# KiCad board 8851_HW-U1-VCU118_REV2-0_071417.kicad_pcb (continued)
## Routing (per net, layer and track width the routed paths; a pad name or vN(x,y) marks a point on that pad's centre or on a via; arc(x,y) is an arc through that point) (continued)
  BOTTOM w0.275: v3(152.62,103.24) 152.78,103.09 152.78,102.67
  vias: v1(160.19,91.58) v1(160.19,77.71) v1(160.19,63.83) v1(160.19,49.96) v1(160.19,35.83)
DDR4_C2_ALERT_B: length 174.8
  TOP w0.15: 162.95,78.89 v1(163.34,79.28) ; 162.95,51.14 v1(163.34,51.53) ; 162.95,92.77 v1(163.34,93.16) ; 162.95,37.02 v1(163.34,37.41) ; 162.95,65.02 v1(163.34,65.41) ; v2(128.19,70.71) 127.69,70.22
  07_SIG3 w0.17: 162.62,93.88 v1(163.34,93.16) 162.95,92.77 162.95,84.85 162.62,84.53 162.62,80 v1(163.34,79.28) 162.95,78.89 162.95,71.62 162.78,71.45 162.78,65.97 v1(163.34,65.41) 162.95,65.02 162.95,55.61 163.08,55.48 163.08,51.8 v1(163.34,51.53) 162.95,51.14 162.95,42.68 162.6,42.32 162.6,41.57 162.75,41.42 163.18,41.42 163.33,41.27 163.33,41.06 163.18,40.91 162.75,40.91 162.6,40.76 162.6,40.42 162.75,40.27 162.91,40.27 163.06,40.12 163.06,39.91 162.91,39.76 162.75,39.76 162.6,39.61 162.6,39.05 162.75,38.9 162.92,38.9 163.18,39.16 163.39,39.16 163.54,39.01 163.54,38.8 163.12,38.38 163.12,38.2 163.34,37.98 v1(163.34,37.41) 163.74,37.02 163.74,30.95 163.97,30.72 164.29,30.72 164.53,30.49 164.53,29.98 ; v2(128.19,70.71) 127.86,70.71 127.37,70.22 125.03,70.22 124.74,69.93 124.74,68.4 124.9,68.24 125.51,68.24 125.67,68.08 125.67,67.49 125.92,67.24 126.5,67.24 126.68,67.06 126.68,66.52 126.94,66.26 127.46,66.26 127.67,66.05 127.67,65.26 128.66,64.27 129.41,64.27 129.65,64.03 129.65,51.76 129.9,51.5 130.41,51.5 130.71,51.19 130.71,50.66 130.89,50.47 131.36,50.47 131.66,50.17 131.66,49.65 131.84,49.48 132.39,49.48 132.64,49.23 132.64,48.76 132.85,48.55 133.31,48.55 133.61,48.26 133.61,47.77 133.84,47.54 134.33,47.54 134.59,47.28 134.59,45.78 134.79,45.57 135.28,45.57 135.59,45.27 135.59,43.8 135.81,43.59 136.26,43.59 136.53,43.32 136.53,41.79 136.44,41.71
  07_SIG3 w0.287: 136.44,41.71 136.44,37.12 138.11,35.44 138.11,35.09 137.17,34.14 137.17,33.78 137.42,33.53 137.78,33.53 138.72,34.48 139.08,34.48 139.33,34.22 139.33,33.87 138.39,32.92 138.39,32.56 138.64,32.31 139,32.31 139.94,33.26 140.3,33.26 140.72,32.84 140.72,32.15 141.5,31.36 142.14,31.36 143.81,29.69 143.81,29.25 146.77,26.28 148.54,26.28 148.99,25.83 153.64,25.83 154.01,26.21 160.21,26.21 160.65,25.77 163.38,25.77 164.53,26.92 164.53,29.98 ; v3(153.53,99.58) 154.07,99.58 154.93,98.72 159.63,98.72 160.53,97.82 160.53,97.08 162.31,95.3 162.31,94.19 162.62,93.88
  BOTTOM w0.275: 153.65,98.92 153.65,99.45 v3(153.53,99.58)
DDR4_C2_BA0: length 174.1
  TOP w0.15: 162.16,45.63 v1(162.56,45.24) ; v2(128.19,66.77) 127.69,66.28 ; 162.16,73.38 v1(162.56,72.99) ; 162.16,31.5 v1(162.56,31.11) ; 162.16,59.5 v1(162.56,59.11) ; 162.16,87.25 v1(162.56,86.86)
  05_SIG2 w0.17: v1(162.56,31.11) 162.95,30.72 163.53,30.72 163.74,30.93 163.74,31.27 163.97,31.5 163.98,31.5 164.29,31.5 164.53,31.73 164.53,33.56 164.26,33.83 155.97,33.83 155.82,33.68 155.82,33.3 155.67,33.15 155.46,33.15 155.31,33.3 155.31,33.68 155.16,33.83 154.95,33.83 154.8,33.68 154.8,33.3 154.65,33.15 154.44,33.15 154.29,33.3 154.29,33.68 154.14,33.83 153.93,33.83 153.78,33.68 153.78,33.3 153.63,33.15 153.42,33.15 153.27,33.3 153.27,33.68 153.12,33.83 152.91,33.83 152.76,33.68 152.76,33.3 152.61,33.15 152.4,33.15 152.25,33.3 152.25,33.68 152.1,33.83 151.54,33.83 ; 140.38,54.74 139.66,55.46 138.81,55.46 138.52,55.74 138.52,56.15 138.23,56.44 137.82,56.44 137.54,56.73 137.54,57.14 137.25,57.42 136.84,57.42 136.55,57.71 136.55,58.12 136.26,58.41 135.86,58.41 135.57,58.7 135.57,59.1 135.28,59.39 134.87,59.39 134.58,59.68 134.58,60.09 134.3,60.38 133.89,60.38 133.6,60.67 133.6,61.07 133.31,61.36 132.9,61.36 132.62,61.65 132.62,62.06 132.33,62.35 131.92,62.35 131.63,62.63 131.63,63.04 131.34,63.33 130.93,63.33 130.65,63.62 130.65,64.18 129.78,65.04 129.01,65.04 128.68,65.37 128.68,66.05 128.19,66.54 v2(128.19,66.77)
  05_SIG2 w0.287: 151.54,33.83 151.44,33.83 150.43,34.83 150.22,34.83 149.86,34.48 149.86,34.26 150.2,33.92 150.2,33.7 149.98,33.48 149.77,33.48 149.42,33.82 149.2,33.82 148.88,33.5 148.67,33.5 148.45,33.72 148.45,33.91 150.52,35.98 150.52,36.08 150.3,36.3 150.08,36.3 148.35,34.57 148.12,34.57 147.9,34.79 147.9,35.15 149.21,36.45 149.21,36.69 148.99,36.91 148.79,36.91 147.89,36.01 147.68,36.01 147.46,36.23 147.46,36.46 148.43,37.43 148.43,37.6 148.19,37.84 147.96,37.84 146.9,36.77 146.69,36.77 146.48,36.99 146.48,37.23 147.15,37.9 147.15,38.12 146.93,38.34 146.71,38.34 145.35,36.98 145.13,36.98 144.91,37.2 144.91,37.42 146.27,38.78 146.27,39 145.94,39.33 145.73,39.33 143.67,37.27 143.42,37.27 143.23,37.46 143.23,37.71 145.33,39.82 145.33,49.79 140.38,54.74
  14_SIG4 w0.087: v1(162.56,31.11) 162.17,31.5 162.17,38.7 162.29,38.83 162.37,38.83 162.49,38.95 162.49,39.19 162.37,39.32 162.29,39.32 162.17,39.44 162.17,39.68 162.29,39.81 162.37,39.81 162.49,39.93 162.49,40.17 162.37,40.3 162.18,40.3 162.01,40.47 162.01,41.08 162.17,41.24 162.17,44.84 v1(162.56,45.24) 162.17,45.63 162.17,53.4 161.97,53.59 161.97,55.53 162.15,55.7 162.17,55.7 162.17,58.72 v1(162.56,59.11) 162.17,59.5 162.17,72.59 v1(162.56,72.99) 162.17,73.38 162.17,86.47 v1(162.56,86.86) 162.17,87.25 162.17,89.54 161.86,89.85 161.86,93.1 161.45,93.52 161.45,93.88
  14_SIG4 w0.155: v3(159.03,103.31) 159.03,102.63 160.56,101.1 160.56,96.92 160.97,96.51 160.97,94.46 161.45,93.98 161.45,93.88
  BOTTOM w0.275: 159.03,102.67 v3(159.03,103.31)
DDR4_C2_BA1: length 180.3
  TOP w0.15: 162.16,50.35 v1(162.56,50.75) ; v2(130.15,69.73) 129.66,69.24 ; 162.16,36.23 v1(162.56,36.62) ; 162.16,78.1 v1(162.56,78.5) ; 162.16,91.98 v1(162.56,92.37) ; 162.16,64.23 v1(162.56,64.62)
  03_SIG1 w0.17: v1(162.56,36.62) 162.25,36.62 162.16,36.71 162.16,37.88 162.96,38.68 162.96,39.21 162.81,39.36 162.55,39.36 162.4,39.51 162.4,39.72 162.55,39.87 162.81,39.87 162.96,40.02 162.96,40.23 162.81,40.38 162.55,40.38 162.4,40.53 162.4,40.74 162.55,40.89 162.81,40.89 162.96,41.04 162.96,41.2 162.6,41.56 162.6,42.49 162.75,42.64 163.07,42.64 163.22,42.79 163.22,43 163.07,43.15 162.75,43.15 162.6,43.3 162.6,43.61 162.16,44.04 162.16,50.35 v1(162.56,50.75) 162.11,51.19 162.11,53.2 161.94,53.37 161.94,55.11 162.11,55.27 162.11,57.44 162.16,57.49 162.16,64.23 v1(162.56,64.62) 162.16,65.02 162.16,78.1 v1(162.56,78.5) 162.16,78.89 162.16,91.98 v1(162.56,92.37) 162.95,92.77 162.95,93.88
  03_SIG1 w0.287: 162.95,93.88 162.95,94.02 160.53,96.44 160.53,98.01 159.62,98.92 158.62,98.92 158.05,99.49 158.05,99.9 157.07,100.88 157.07,101.84 155.88,103.03 155.88,103.56 155.29,104.15 155,104.15 154.47,104.67 152.17,104.67 151.76,104.27 151.76,103.86 151.97,103.65 151.97,102.68 151.28,101.98 151.28,100.94 v3(149.9,99.56)
  07_SIG3 w0.17: 161.09,29.79 161.38,30.07 161.38,32.85 161.83,33.3 161.83,36.07 162.39,36.62 v1(162.56,36.62) ; 140.29,45.63 140.08,45.85 139.59,45.85 139.44,46 139.44,46.41 139.28,46.57 138.71,46.57 138.51,46.77 138.51,47.33 138.3,47.54 137.82,47.54 137.56,47.81 137.56,48.19 137.2,48.54 136.9,48.54 136.6,48.84 136.6,49.25 136.33,49.52 135.8,49.52 135.55,49.76 135.55,50.28 135.25,50.58 134.79,50.58 134.61,50.75 134.61,51.28 134.37,51.52 133.83,51.52 133.6,51.75 133.6,64 132.85,64.75 132.32,64.75 131.68,65.4 131.68,65.93 131.3,66.31 130.87,66.31 130.63,66.54 130.63,66.95 130.33,67.25 129.92,67.25 129.66,67.51 129.66,69.24 v2(130.15,69.73)
  07_SIG3 w0.287: 161.09,29.79 151.11,29.79 149.93,30.97 149.93,31.77 149.68,32.02 148.87,32.02 148.72,32.16 148.72,32.36 148.88,32.51 149.78,32.51 149.91,32.64 149.91,32.95 149.78,33.07 148.76,33.07 148.6,33.23 148.6,33.54 148.76,33.69 149.71,33.69 149.87,33.85 149.87,34.16 149.71,34.31 148.76,34.31 148.6,34.47 148.6,34.78 148.76,34.93 149.58,34.93 149.8,35.16 149.8,35.76 149.57,35.99 148.77,35.99 146.06,38.71 145.26,38.71 144.96,39.01 144.96,39.23 145.65,39.91 145.65,40.13 145.43,40.35 145.21,40.35 144.52,39.67 144.3,39.67 144.08,39.88 144.08,40.1 144.77,40.79 144.77,41.01 144.55,41.23 144.33,41.23 143.65,40.54 143.43,40.54 143.21,40.76 143.21,40.98 143.89,41.67 143.89,41.89 143.67,42.11 143.46,42.11 142.63,41.28 142.42,41.28 142.2,41.5 142.2,41.73 142.87,42.4 142.87,42.63 142.65,42.85 142.45,42.85 141.89,42.3 141.67,42.3 141.45,42.52 141.45,42.73 142.19,43.47 142.19,43.68 141.97,43.9 141.74,43.9 141.02,43.17 140.8,43.17 140.58,43.39 140.58,43.61 141.26,44.3 141.26,44.52 141.04,44.74 140.83,44.74 140.14,44.05 139.92,44.05 139.6,44.36 139.6,44.6 140.29,45.29 140.29,45.63
  BOTTOM w0.275: 149.9,98.92 v3(149.9,99.56)
DDR4_C2_BG0: length 173.5
  TOP w0.15: 161.38,73.38 v1(161.77,72.99) ; 161.38,45.63 v1(161.77,45.24) ; 161.38,87.25 v1(161.77,86.86) ; 161.38,31.5 v1(161.77,31.11) ; v2(130.15,68.74) 129.66,68.25 ; 161.38,59.5 v1(161.77,59.11)
  03_SIG1 w0.17: 137.54,42 137.54,47.33 137.29,47.58 136.85,47.58 136.55,47.87 136.55,58.12 136.26,58.41 135.86,58.41 135.57,58.7 135.57,59.1 135.28,59.39 134.87,59.39 134.58,59.68 134.58,60.09 134.3,60.38 133.89,60.38 133.6,60.67 133.6,61.07 133.31,61.36 132.9,61.36 132.62,61.65 132.62,62.06 132.33,62.35 131.92,62.35 131.63,62.63 131.63,64.03 130.83,64.83 130.42,64.83 129.66,65.59 129.66,67.99 130.15,68.48 v2(130.15,68.74) ; 159.09,30.13 159.43,30.46 159.43,31.12 159.81,31.5 161.38,31.5 v1(161.77,31.11)
  03_SIG1 w0.287: 159.09,30.13 158.77,29.8 156.63,29.8 155.43,28.6 154.48,28.6 153.65,27.77 153.23,27.77 153.07,27.93 153.07,28.12 152.92,28.28 151.82,28.28 151.64,28.1 151.64,27.97 151.49,27.81 151.18,27.81 151.02,27.97 151.02,28.45 150.87,28.6 150.47,28.6 149.79,29.28 149.02,29.28 148.54,29.76 148.09,29.76 147.62,29.28 147.31,29.28 147.01,29.59 147.01,30.36 146.73,30.64 146.44,30.64 146.15,30.36 146.15,29.72 145.98,29.55 145.73,29.55 145.07,30.2 145.07,31.9 142.75,34.23 140.23,34.23 140.01,34.46 140.01,34.7 140.18,34.87 142.74,34.87 142.93,35.06 142.93,35.36 142.72,35.57 140.03,35.57 139.88,35.73 139.88,35.98 140.16,36.27 142.75,36.27 142.91,36.42 142.91,36.7 142.62,36.98 139.82,36.98 139.55,37.26 139.55,37.49 139.77,37.71 142.93,37.71 143.09,37.86 143.09,38.17 142.8,38.46 137.39,38.46 136.63,39.22 136,39.22 135.78,39.44 135.78,39.9 136.04,40.17 137.23,40.17 137.53,40.46 137.53,40.68 137.29,40.91 137.29,41.13 137.54,41.38 137.54,42
  14_SIG4 w0.087: 160.54,93.88 160.59,93.83 160.59,93 160.82,92.77 161.14,92.77 161.37,92.53 161.37,87.26 v1(161.77,86.86) 161.38,86.47 161.38,84.6 161.65,84.32 161.65,83.09 161.38,82.82 161.38,73.38 v1(161.77,72.99) 161.38,72.59 161.38,72.04 161.4,72.02 161.4,62.17 161.38,62.15 161.38,59.5 v1(161.77,59.11) 161.38,58.72 161.38,56.73 161.61,56.49 161.61,55.71 161.38,55.48 161.38,45.63 v1(161.77,45.24) 161.37,44.84 161.37,43.48 161.38,43.48 161.38,42.6 161.54,42.43 161.54,41.86 161.38,41.7 161.38,31.5 v1(161.77,31.11)
  14_SIG4 w0.155: 160.54,93.88 160,94.42 160,96.47 159.19,97.28 159.19,98.15 158,99.34 158,101.85 v3(156.53,103.31)
  BOTTOM w0.275: 156.53,102.67 v3(156.53,103.31)
DDR4_C2_CK_C: length 173
  TOP w0.142: v1(159.41,92.37) 159.8,91.98 ; v1(159.41,50.75) 159.8,50.35 ; v1(159.41,64.62) 159.8,64.23 ; 159.8,36.23 v1(159.41,36.62) ; v1(159.41,78.5) 159.8,78.1 ; v2(129.17,68.74) 128.68,68.25
  TOP w0.375: U1.AT27 v2(120.31,52.01)
  05_SIG2 w0.125: 158.23,38.24 158.41,38.05 158.71,38.05 159.02,37.73 159.02,37.01 v1(159.41,36.62) ; v2(129.17,68.74) 129.17,68.48 129.3,68.35 129.5,68.35 129.77,68.09 129.77,67.6 130,67.37 130.4,67.37 130.75,67.02 130.75,66.61 130.98,66.39 131.38,66.39 131.73,66.04 131.73,65.14 132.72,64.15 132.72,63.66 132.95,63.43 133.47,63.43 133.7,63.2 133.7,62.68 133.93,62.45 134.34,62.45 134.69,62.1 134.69,61.69 134.92,61.46 135.33,61.46 135.67,61.12 135.67,60.71 135.9,60.48 136.3,60.48 136.66,60.13 136.66,59.72 136.89,59.5 137.29,59.5 137.64,59.14 137.64,58.74 137.87,58.51 139.26,58.51 139.87,57.9 139.93,57.9 139.96,57.88
  05_SIG2 w0.175: 140.38,57.48 140.35,57.51 140.33,57.51 139.96,57.88
  05_SIG2 w0.205: 140.38,57.48 145.36,52.5 145.93,52.5 146.25,52.18 146.25,51.19 146.38,51.05 146.66,51.05 146.8,51.19 146.8,51.75 147.19,52.14 147.87,52.14 148.11,51.9 148.97,51.9 149.22,52.14 150.24,52.14 150.62,51.76 150.62,50.1 150.18,49.65 150.18,42.23 150.64,41.77 151.11,41.77 151.26,41.91 158.13,41.91 158.53,41.5 158.53,40.41 158.2,40.08 150.42,40.08 148.82,41.67 148.82,44.13 148.42,44.53 148.42,45.07 148.82,45.48 148.82,49.7 148.69,49.84 147.07,49.84 146.93,49.7 146.93,48.96 147.07,48.83 147.24,48.83 147.55,48.51 147.55,47.85 147.24,47.54 147.07,47.54 146.93,47.4 146.93,46.85 147.53,46.26 147.53,45.49 146.93,44.89 146.93,43.92 147.07,43.78 147.55,43.78 147.9,43.43 147.9,42.98 147.55,42.63 147.07,42.63 146.93,42.5 146.93,40.68 147.22,40.39 149.01,40.39 150.38,39.02 154.75,39.02 154.89,39.16 154.89,39.28 155.02,39.41 155.3,39.41 155.44,39.28 155.44,39.16 155.57,39.02 155.85,39.02 155.99,39.16 155.99,39.4 156.12,39.54 156.4,39.54 156.54,39.4 156.54,39.16 156.67,39.02 157.44,39.02 158.23,38.24
  14_SIG4 w0.1: 159.69,52.26 159.69,52.3 159.68,52.31 159.68,57.88 159.69,57.88 ; 158.74,38.38 158.74,38.41 158.73,38.42 158.73,39.06 158.83,39.16 158.89,39.16 158.99,39.27 158.99,39.47 158.89,39.56 158.83,39.56 158.73,39.66 158.73,42.95 159.46,43.68 159.46,43.97 159.47,43.98 159.47,44.01 ; 159.55,85.63 159.55,85.61 159.54,85.6 159.54,80.04 159.55,80.03 159.55,80.01 ; 159.52,66.13 159.52,66.16 159.51,66.17 159.51,71.73 159.52,71.74 159.52,71.76
  14_SIG4 w0.106: 159.69,52.26 159.69,51.83 159.79,51.73 159.79,51.13 v1(159.41,50.75) 159.8,50.35 159.8,49.02 159.65,48.86 159.65,48.08 159.47,47.91 159.47,44.01 ; 159.55,80.01 159.55,79.75 159.8,79.5 159.8,79.13 159.41,78.74 v1(159.41,78.5) 159.57,78.33 159.61,78.33 159.8,78.15 159.8,75.79 159.52,75.51 159.52,71.76 ; 159.69,57.88 159.69,57.89 159.69,61.91 159.76,61.98 159.76,62.77 159.79,62.8 159.79,64.23 v1(159.41,64.62) 159.8,65.02 159.8,65.67 159.52,65.95 159.52,66.13 ; 159.55,85.63 159.55,89.37 159.79,89.62 159.79,92.16 159.58,92.37 v1(159.41,92.37) ; 158.74,38.38 158.74,37.87 159.02,37.59 159.02,37.25 159.41,36.87 v1(159.41,36.62)
  BOTTOM w0.142: 160.65,90.08 160.63,90.06 160.19,90.06 159.8,90.46 159.8,91.98 v1(159.41,92.37)
  BOTTOM w0.185: 160.65,90.08 166.65,90.08 R898.1
DDR4_C2_CK_T: length 175.2
  TOP w0.142: 159.8,91.19 v1(159.41,90.8) ; 159.8,35.44 v1(159.41,35.05) ; 159.8,77.32 v1(159.41,76.92) ; v2(129.17,67.76) 128.68,67.27 ; 159.8,49.57 v1(159.41,49.17) ; 159.8,63.44 v1(159.41,63.05)
  TOP w0.375: 157.44,77.32 v1(157.05,76.92) ; 157.44,63.44 v1(157.05,63.05) ; 157.44,49.57 v1(157.05,49.17) ; 157.44,91.19 v1(157.05,90.8) ; 157.44,35.44 v1(157.05,35.05)
  05_SIG2 w0.125: v1(159.41,35.05) 159.02,35.43 159.02,36 158.8,36.23 158.41,36.23 158.24,36.4 158.24,37.75 157.94,38.05 ; v2(129.17,67.76) 129.17,68.02 129.3,68.15 129.42,68.15 129.56,68 129.56,67.51 129.91,67.16 130.31,67.16 130.54,66.93 130.54,66.53 130.89,66.18 131.3,66.18 131.53,65.95 131.53,65.05 132.51,64.07 132.51,63.58 132.86,63.23 133.39,63.23 133.5,63.12 133.5,62.59 133.85,62.24 134.25,62.24 134.48,62.01 134.48,61.61 134.83,61.26 135.25,61.26 135.47,61.04 135.47,60.62 135.81,60.27 136.22,60.27 136.45,60.05 136.45,59.64 136.8,59.29 137.2,59.29 137.43,59.06 137.43,58.65 137.78,58.3 139.17,58.3 139.72,57.75 139.72,57.69 139.73,57.68 139.76,57.68
  05_SIG2 w0.175: 139.76,57.68 139.78,57.68 140.14,57.32 140.14,57.3 140.38,57.05
  05_SIG2 w0.205: 140.38,57.05 145.24,52.2 145.81,52.2 145.95,52.06 145.95,51.07 146.26,50.75 146.78,50.75 147.1,51.07 147.1,51.62 147.31,51.84 147.75,51.84 147.99,51.6 149.1,51.6 149.34,51.84 150.12,51.84 150.32,51.64 150.32,50.22 149.88,49.77 149.88,42.1 150.51,41.47 151.28,41.47 151.42,41.61 158.01,41.61 158.23,41.39 158.23,40.53 158.08,40.38 150.54,40.38 149.12,41.8 149.12,44.25 148.72,44.66 148.72,44.95 149.12,45.35 149.12,49.82 148.81,50.14 146.95,50.14 146.63,49.82 146.63,48.84 146.95,48.53 147.11,48.53 147.25,48.39 147.25,47.98 147.11,47.84 146.95,47.84 146.63,47.53 146.63,46.73 147.23,46.14 147.23,45.61 146.63,45.02 146.63,43.8 146.95,43.48 147.43,43.48 147.6,43.31 147.6,43.11 147.43,42.93 146.95,42.93 146.63,42.62 146.63,40.56 147.1,40.09 148.88,40.09 150.25,38.72 156.81,38.72 156.82,38.73 157.27,38.73 157.94,38.05
  14_SIG4 w0.1: 159.28,71.76 159.28,71.74 159.29,71.73 159.29,67.12 159.13,66.97 159.13,66.7 159.29,66.54 159.29,66.17 159.28,66.16 159.28,66.13 ; 159.3,85.63 159.3,85.61 159.31,85.6 159.31,81.43 159.09,81.2 159.09,80.95 159.31,80.72 159.31,80.04 159.3,80.03 159.3,80.01 ; 159.23,44.01 159.23,43.98 159.24,43.97 159.24,43.78 158.5,43.04 158.5,38.42 158.49,38.41 158.49,38.38 ; 159.45,52.26 159.45,52.31 159.46,52.32 159.46,57.88 159.45,57.88
  14_SIG4 w0.106: 158.49,38.38 158.49,37.89 158.22,37.62 158.22,37.25 158.46,37.01 158.78,37.01 159.01,36.78 159.01,35.68 159.41,35.29 v1(159.41,35.05) ; 159.3,85.63 159.3,89.47 159.55,89.72 159.55,90.66 v1(159.41,90.8) ; 159.23,44.01 159.23,48.01 159.41,48.19 v1(159.41,49.17) 159.02,49.56 159.02,51.74 159.45,52.16 159.45,52.26 ; 159.28,71.76 159.28,75.61 159.55,75.89 159.55,76.78 v1(159.41,76.92) 159.01,77.32 159.01,79.5 159.3,79.79 159.3,80.01 ; 159.28,66.13 159.28,65.95 159.02,65.69 159.02,63.44 v1(159.41,63.05) 159.52,62.94 159.52,62.08 159.45,62.01 159.45,57.89 159.45,57.88
  BOTTOM w0.142: 160.65,89.78 160.62,89.81 160.09,89.81 159.5,90.4 159.5,90.7 v1(159.41,90.8)
  BOTTOM w0.185: 160.65,89.78 166.01,89.78 166.13,89.67 166.13,88.78 166.27,88.63 166.61,88.63 166.73,88.76 R897.1
DDR4_C2_CKE: length 176.4
  TOP w0.15: 159.8,59.5 v1(160.19,59.11) ; 159.8,45.63 v1(160.19,45.24) ; 159.8,31.5 v1(160.19,31.11) ; v2(132.12,69.73) 131.63,69.24 ; 159.8,73.38 v1(160.19,72.99) ; 159.8,87.25 v1(160.19,86.86)
  14_SIG4 w0.087: 165.37,33.98 164.52,33.14 164.52,30.95 164.29,30.72 160.82,30.72 160.75,30.79 160.52,30.79 v1(160.19,31.11) 160.59,31.5 160.59,34.1 159.8,34.88 159.8,39.26 159.93,39.38 160.49,39.38 160.59,39.48 160.59,39.73 160.44,39.87 159.93,39.87 159.8,40 159.8,40.24 159.93,40.36 160.49,40.36 160.59,40.46 160.59,40.71 160.44,40.85 159.93,40.85 159.8,40.98 159.8,42.58 160.59,43.37 160.59,44.84 v1(160.19,45.24) 160.59,45.63 160.59,58.72 v1(160.19,59.11) 160.59,59.5 160.59,65.81 160.54,65.86 160.54,70.85 160.7,71.01 160.7,71.67 160.59,71.79 160.59,72.59 v1(160.19,72.99) 160.59,73.38 160.59,82.69 160.49,82.79 160.49,85.61 160.59,85.7 160.59,86.47 v1(160.19,86.86) 160.59,87.25 160.59,92.53 160.35,92.77 160.03,92.77 159.8,93 159.8,93.53 159.45,93.88 ; 132.55,41.26 132.61,41.32 132.61,43.36 132.33,43.64 132.25,43.64 132.25,43.65 131.92,43.65 131.63,43.93 131.63,44.34 131.64,44.35 131.64,44.36 131.37,44.63 131.34,44.63 131.34,44.63 130.77,44.63 130.64,44.75 130.64,64.57 131.65,65.57 131.65,66 131.95,66.3 132.35,66.3 132.62,66.57 132.62,69.23 v2(132.12,69.73)
  14_SIG4 w0.155: 132.55,41.26 132.26,40.97 132.26,37.1 138.28,31.08 141.09,31.08 141.91,30.27 141.91,29.92 142.9,28.92 144.1,28.92 145.78,27.24 151.95,27.24 152.11,27.08 153.04,27.08 153.31,27.35 158.61,27.35 159.55,28.29 164.57,28.29 165.95,29.67 165.95,32.84 166.14,33.03 166.35,33.03 166.47,33.15 166.47,33.85 166.26,34.06 165.44,34.06 165.37,33.98 ; v3(147.4,99.56) 148.19,98.77 156.77,98.77 157.94,97.61 157.94,95.4 159.45,93.88
  BOTTOM w0.275: 147.4,98.92 v3(147.4,99.56)
DDR4_C2_CS_B: length 177.3
  TOP w0.15: 160.59,63.44 v1(160.19,63.05) ; 160.59,91.19 v1(160.19,90.8) ; 160.59,49.57 v1(160.19,49.17) ; 160.59,35.44 v1(160.19,35.05) ; 160.59,77.32 v1(160.19,76.92) ; v2(133.11,70.71) 132.62,70.22
  TOP w0.275: v3(147.19,103.07) 146.95,102.82 146.95,102.5
  05_SIG2 w0.17: v1(160.19,35.05) 160.59,35.44 160.59,38.22 160.43,38.39 159.91,38.39 159.75,38.55 159.75,39 159.95,39.2 160.08,39.2 160.23,39.35 160.23,39.56 160.08,39.71 159.95,39.71 159.8,39.86 159.8,40.07 159.95,40.22 160.08,40.22 160.23,40.37 160.23,40.58 160.08,40.73 159.95,40.73 159.8,40.88 159.8,41.09 159.95,41.24 160.05,41.24 160.2,41.39 160.2,41.6 160.04,41.75 159.95,41.75 159.8,41.9 159.8,42.11 159.95,42.26 160.06,42.26 160.2,42.4 160.2,42.61 160.04,42.77 159.95,42.77 159.8,42.92 159.8,43.13 159.95,43.28 160.08,43.28 160.23,43.43 160.23,43.64 160.08,43.79 159.95,43.79 159.8,43.94 159.8,48.78 v1(160.19,49.17) 159.8,49.57 159.8,62.65 v1(160.19,63.05) 159.8,63.44 159.8,65.87 159.25,66.42 159.25,75.98 v1(160.19,76.92) 159.8,77.32 159.8,81.44 159.11,82.14 159.11,89.71 v1(160.19,90.8) 159.8,91.19 159.21,91.19 159.01,91.39 159.01,93.4 158.53,93.88
  05_SIG2 w0.287: 158.53,93.88 157.62,94.79 149.03,94.79 146.68,97.15 146.68,99.83 147.64,100.8 147.64,102.62 v3(147.19,103.07)
  07_SIG3 w0.087: 160.59,38.39 160.52,38.46
  07_SIG3 w0.17: v2(133.11,70.71) 132.62,70.22 132.62,66.57 132.9,66.28 133.31,66.28 133.6,65.99 133.6,65.59 134.12,65.07 134.52,65.07 135.57,64.03 135.57,51.82 135.87,51.52 136.36,51.52 136.6,51.27 136.6,50.81 136.95,50.46 137.41,50.46 137.59,50.29 137.59,49.81 137.82,49.58 139.16,49.58 139.47,49.27 ; 160.59,38.39 160.59,35.44 v1(160.19,35.05)
  07_SIG3 w0.287: 160.52,38.46 160.4,38.58 160.19,38.58 159.5,37.89 159.3,37.89 159.02,38.17 159.02,38.33 161.08,40.4 161.08,40.65 160.89,40.85 160.56,40.85 157.67,37.96 157.42,37.96 157.33,38.04 157.33,38.44 160.5,41.62 160.5,41.99 160.36,42.13 160.07,42.13 156.78,38.83 156.49,38.83 156.3,39.02 156.28,39.02 156.28,39.29 160.47,43.48 160.47,43.73 160.33,43.87 160.03,43.87 155.09,38.93 155.09,38.24 154.94,38.09 154.63,38.09 154.47,38.24 154.47,39.55 154.2,39.82 153.27,39.82 152.16,38.72 150.5,38.72 149.64,39.57 149.09,39.57 148.49,40.17 148.07,40.17 147.42,40.83 147.42,41.33 139.47,49.27
  vias: v1(157.05,91.58) v1(157.05,77.71) v1(157.05,63.83) v1(157.05,49.96) v1(157.05,35.83)
DDR4_C2_DM0: length 65.1
  TOP w0.15: v2(138.03,73.66) 137.54,73.17 ; 155.86,49.57 v1(155.47,49.17)
  07_SIG3 w0.17: v1(155.47,49.17) 155.86,49.57 155.86,50.12 156.09,50.35 158,50.35 158.23,50.58 158.23,52.26 ; 139.47,74.16 138.52,74.16 v2(138.03,73.66)
  07_SIG3 w0.258: 158.23,52.26 158.23,53.07 158.45,53.3 159.1,53.3 159.32,53.53 159.32,53.85 159.1,54.07 158.45,54.07 158.23,54.3 158.23,54.62 158.45,54.84 159.1,54.84 159.32,55.07 159.32,55.39 159.1,55.62 158.45,55.62 158.23,55.84 158.23,56.12 157.82,56.53 157.41,56.53 157.18,56.75 157.18,57.52 156.96,57.75 156.64,57.75 156.41,57.52 156.41,56.75 156.18,56.53 155.86,56.53 155.64,56.75 155.64,57.52 155.41,57.75 155.09,57.75 154.87,57.52 154.87,56.75 154.64,56.53 154.32,56.53 154.09,56.75 154.09,57.52 153.87,57.75 153.55,57.75 153.32,57.52 153.32,56.75 153.09,56.53 152.77,56.53 152.55,56.75 152.55,57.52 152.32,57.75 152,57.75 151.78,57.52 151.78,56.75 151.55,56.53 150.35,56.53 150.09,56.78 150.09,58.64 150.23,58.78 151.26,58.78 151.4,58.92 151.4,59.19 151.26,59.33 150.23,59.33 150.09,59.47 150.09,59.74 150.23,59.88 151.26,59.88 151.4,60.02 151.4,60.29 151.26,60.43 150.23,60.43 150.09,60.57 150.09,63.81 150.28,64 151.16,64 151.45,64.29 151.45,64.56 151.31,64.7 150.25,64.7 150.11,64.84 150.11,65.21 150.25,65.35 151.27,65.35 151.39,65.46 151.39,65.85 151.22,66.02 150.23,66.02 150.09,66.16 150.09,67.15 147.65,69.59 146.9,69.59 146.63,69.85 146.63,70.83 143.66,73.8 143.65,73.8 143.6,73.85 139.78,73.85 139.47,74.16
DDR4_C2_DM1: length 52.6
  TOP w0.15: 155.86,45.63 v1(155.47,45.24) ; 134.58,72.19 v2(135.08,72.68)
  14_SIG4 w0.087: 139.43,74.94 139.23,75.14 137.82,75.14 137.54,74.85 137.54,74.44 137.25,74.16 136.84,74.16 136.55,73.87 136.55,73.46 136.26,73.17 135.59,73.17 135.1,72.68 v2(135.08,72.68) ; 151.54,46.28 151.97,46.28 152.11,46.42 152.48,46.42 152.71,46.65 152.71,47.67 153,47.95 153.5,47.95 153.77,48.22 156.8,48.22 157.06,47.95 157.06,47.4 156.87,47.21 156.06,47.21 155.86,47.01 155.86,45.63 v1(155.47,45.24)
  14_SIG4 w0.138: 139.43,74.94 143.91,70.46 143.91,63.61 144.29,63.24 144.29,59.73 145.62,58.4 145.62,53.06 147.41,51.27 147.41,49.28 147.91,48.78 148.31,48.78 150.23,46.86 150.23,46.59 150.54,46.28 151.54,46.28
DDR4_C2_DM2: length 43.2
  TOP w0.15: 155.86,63.44 v1(155.47,63.05) ; 130.65,74.16 v2(131.14,74.65)
  05_SIG2 w0.17: v2(131.14,74.65) 131.63,74.16 132.33,74.16 132.62,73.87 132.62,73.46 132.9,73.17 133.31,73.17 133.6,72.88 133.6,72.48 133.89,72.19 134.3,72.19 134.58,71.9 134.58,71.49 134.87,71.2 135.28,71.2 135.57,70.91 135.57,70.51 135.86,70.22 136.26,70.22 136.55,69.93 136.55,69.52 136.84,69.23 137.25,69.23 137.54,68.95 137.54,68.54 137.82,68.25 139.99,68.25 140.38,67.86 ; 151.72,66.13 151.72,65.31 152.02,65.02 152.58,65.02 152.71,64.88 152.71,64.42 152.91,64.23 155.7,64.23 155.86,64.06 155.86,63.44 v1(155.47,63.05)
  05_SIG2 w0.258: 151.72,66.13 151.72,67.27 151.58,67.41 147.33,67.41 147.2,67.27 147.2,66.37 147.06,66.23 146.78,66.23 146.65,66.37 146.65,67.27 146.51,67.41 145.99,67.41 145.81,67.23 145.81,66.84 145.52,66.56 145.16,66.56 143.84,65.24 142.97,65.24 142.72,65.49 142.72,65.68 143.7,66.66 143.7,66.85 143.5,67.05 143.31,67.05 142.33,66.07 142.14,66.07 141.94,66.27 141.94,66.46 142.48,66.99 142.48,67.19 142.28,67.38 142.09,67.38 141.56,66.85 141.39,66.85 140.38,67.86
